# Allegro board LED_FIN.brd (continued)
## Routing (per net, layer and track width the routed paths; a pad name or vN(x,y) marks a point on that pad's centre or on a via; arc(x,y) is an arc through that point) (continued)
  BOTTOM w0.15: v1(101.25,240.8) v1(101.25,238.8) v1(101.25,236.8) v1(101.25,234.8) v1(101.25,232.8) v1(101.25,230.8) v1(101.25,228.8) v1(101.25,226.8) v1(101.25,224.8) v1(101.25,222.8) v1(101.25,220.8) v1(101.25,218.8) v1(101.25,216.8) v1(101.25,214.8) v1(101.25,212.8) v1(101.25,210.8) v1(101.25,208.8) v1(101.25,206.8) v1(101.25,204.8) v1(101.25,202.8) v1(101.25,200.8) v1(101.25,198.8) v1(101.25,196.8) v1(101.25,194.8) v1(101.25,192.8) v1(101.25,190.8) v1(101.25,188.8) v1(101.25,186.8) v1(101.25,184.8) v1(101.25,182.8) v1(101.25,180.8) v1(101.25,178.8) v1(101.25,176.8) v1(101.25,174.8) v1(101.25,172.8) v1(101.25,170.8) v1(101.25,168.8) v1(101.25,166.8) 101.34,166.71 101.34,41.87 101.44,41.77 101.44,10.79 v1(101.25,10.6)
COL_OUT_C89: length 257.9
  TOP w0.15: D11161.1 v1(99.25,180.8) ; D10981.1 v1(99.25,192.8) ; D10381.1 v1(99.25,232.8) ; D10321.1 v1(99.25,236.8) ; D10741.1 v1(99.25,208.8) ; D11341.1 v1(99.25,168.8) ; D10861.1 v1(99.25,200.8) ; D10291.1 v1(99.25,238.8) ; D10621.1 v1(99.25,216.8) ; D10471.1 v1(99.25,226.8) ; D10771.1 v1(99.25,206.8) ; D11191.1 v1(99.25,178.8) ; D11131.1 v1(99.25,182.8) ; D11221.1 v1(99.25,176.8) ; v1(99.25,10.6) 98.7,10.6 R271.1 ; D11371.1 v1(99.25,166.8) ; D10501.1 v1(99.25,224.8) ; D10651.1 v1(99.25,214.8) ; D10531.1 v1(99.25,222.8) ; D11011.1 v1(99.25,190.8) ; D10681.1 v1(99.25,212.8) ; D10801.1 v1(99.25,204.8) ; D10711.1 v1(99.25,210.8) ; D10441.1 v1(99.25,228.8) ; D11311.1 v1(99.25,170.8) ; D10351.1 v1(99.25,234.8) ; D10921.1 v1(99.25,196.8) ; D11041.1 v1(99.25,188.8) ; D10561.1 v1(99.25,220.8) ; D10831.1 v1(99.25,202.8) ; D11071.1 v1(99.25,186.8) ; D11101.1 v1(99.25,184.8) ; D11281.1 v1(99.25,172.8) ; D10591.1 v1(99.25,218.8) ; D10891.1 v1(99.25,198.8) ; D10411.1 v1(99.25,230.8) ; D10261.1 v1(99.25,240.8) ; D11251.1 v1(99.25,174.8) ; D10951.1 v1(99.25,194.8)
  BOTTOM w0.15: v1(99.25,240.8) v1(99.25,238.8) v1(99.25,236.8) v1(99.25,234.8) v1(99.25,232.8) v1(99.25,230.8) v1(99.25,228.8) v1(99.25,226.8) v1(99.25,224.8) v1(99.25,222.8) v1(99.25,220.8) v1(99.25,218.8) v1(99.25,216.8) v1(99.25,214.8) v1(99.25,212.8) v1(99.25,210.8) v1(99.25,208.8) v1(99.25,206.8) v1(99.25,204.8) v1(99.25,202.8) v1(99.25,200.8) v1(99.25,198.8) v1(99.25,196.8) v1(99.25,194.8) v1(99.25,192.8) v1(99.25,190.8) v1(99.25,188.8) v1(99.25,186.8) v1(99.25,184.8) v1(99.25,182.8) v1(99.25,180.8) v1(99.25,178.8) v1(99.25,176.8) v1(99.25,174.8) v1(99.25,172.8) v1(99.25,170.8) v1(99.25,168.8) v1(99.25,166.8) 99.25,132.13 98.87,131.75 98.87,129.98 99.22,129.63 99.22,42.02 98.97,41.77 98.97,11.38 99.25,11.1 v1(99.25,10.6)
COL_OUT_C90: length 257.7
  TOP w0.15: R270.1 96.7,10.6 v1(97.25,10.6) ; D9900.1 v1(97.25,190.8) ; D10140.1 v1(97.25,174.8) ; D10200.1 v1(97.25,170.8) ; D9150.1 v1(97.25,240.8) ; D9960.1 v1(97.25,186.8) ; D9180.1 v1(97.25,238.8) ; D9570.1 v1(97.25,212.8) ; D10260.1 v1(97.25,166.8) ; D9840.1 v1(97.25,194.8) ; D9630.1 v1(97.25,208.8) ; D9720.1 v1(97.25,202.8) ; D9360.1 v1(97.25,226.8) ; D9330.1 v1(97.25,228.8) ; D9660.1 v1(97.25,206.8) ; D10110.1 v1(97.25,176.8) ; D9240.1 v1(97.25,234.8) ; D10050.1 v1(97.25,180.8) ; D9870.1 v1(97.25,192.8) ; D9540.1 v1(97.25,214.8) ; D9690.1 v1(97.25,204.8) ; D9300.1 v1(97.25,230.8) ; D9600.1 v1(97.25,210.8) ; D10230.1 v1(97.25,168.8) ; D9450.1 v1(97.25,220.8) ; D9420.1 v1(97.25,222.8) ; D10170.1 v1(97.25,172.8) ; D9780.1 v1(97.25,198.8) ; D9990.1 v1(97.25,184.8) ; D9270.1 v1(97.25,232.8) ; D9390.1 v1(97.25,224.8) ; D9810.1 v1(97.25,196.8) ; D10020.1 v1(97.25,182.8) ; D9930.1 v1(97.25,188.8) ; D9510.1 v1(97.25,216.8) ; D9750.1 v1(97.25,200.8) ; D10080.1 v1(97.25,178.8) ; D9480.1 v1(97.25,218.8) ; D9210.1 v1(97.25,236.8)
  BOTTOM w0.15: v1(97.25,240.8) v1(97.25,238.8) v1(97.25,236.8) v1(97.25,234.8) v1(97.25,232.8) v1(97.25,230.8) v1(97.25,228.8) v1(97.25,226.8) v1(97.25,224.8) v1(97.25,222.8) v1(97.25,220.8) v1(97.25,218.8) v1(97.25,216.8) v1(97.25,214.8) v1(97.25,212.8) v1(97.25,210.8) v1(97.25,208.8) v1(97.25,206.8) v1(97.25,204.8) v1(97.25,202.8) v1(97.25,200.8) v1(97.25,198.8) v1(97.25,196.8) v1(97.25,194.8) v1(97.25,192.8) v1(97.25,190.8) v1(97.25,188.8) v1(97.25,186.8) v1(97.25,184.8) v1(97.25,182.8) v1(97.25,180.8) v1(97.25,178.8) v1(97.25,176.8) v1(97.25,174.8) v1(97.25,172.8) v1(97.25,170.8) v1(97.25,168.8) v1(97.25,166.8) 97.25,132.03 97.53,131.75 97.53,41.87 97.63,41.77 97.63,10.98 v1(97.25,10.6)
COL_OUT_C91: length 257.6
  TOP w0.15: D9599.1 v1(95.25,210.8) ; D9449.1 v1(95.25,220.8) ; D9179.1 v1(95.25,238.8) ; D10079.1 v1(95.25,178.8) ; D9539.1 v1(95.25,214.8) ; D10139.1 v1(95.25,174.8) ; D9389.1 v1(95.25,224.8) ; D9269.1 v1(95.25,232.8) ; D10199.1 v1(95.25,170.8) ; D9209.1 v1(95.25,236.8) ; D9779.1 v1(95.25,198.8) ; D10169.1 v1(95.25,172.8) ; D9989.1 v1(95.25,184.8) ; R269.1 94.7,10.6 v1(95.25,10.6) ; D10049.1 v1(95.25,180.8) ; D9479.1 v1(95.25,218.8) ; D9749.1 v1(95.25,200.8) ; D9869.1 v1(95.25,192.8) ; D9929.1 v1(95.25,188.8) ; D9419.1 v1(95.25,222.8) ; D9239.1 v1(95.25,234.8) ; D9509.1 v1(95.25,216.8) ; D9809.1 v1(95.25,196.8) ; D9719.1 v1(95.25,202.8) ; D9659.1 v1(95.25,206.8) ; D9149.1 v1(95.25,240.8) ; D9899.1 v1(95.25,190.8) ; D9689.1 v1(95.25,204.8) ; D9629.1 v1(95.25,208.8) ; D9569.1 v1(95.25,212.8) ; D9959.1 v1(95.25,186.8) ; D10109.1 v1(95.25,176.8) ; D10229.1 v1(95.25,168.8) ; D9839.1 v1(95.25,194.8) ; D9359.1 v1(95.25,226.8) ; D10019.1 v1(95.25,182.8) ; D9329.1 v1(95.25,228.8) ; D9299.1 v1(95.25,230.8) ; D10259.1 v1(95.25,166.8)
  BOTTOM w0.15: v1(95.25,240.8) v1(95.25,238.8) v1(95.25,236.8) v1(95.25,234.8) v1(95.25,232.8) v1(95.25,230.8) v1(95.25,228.8) v1(95.25,226.8) v1(95.25,224.8) v1(95.25,222.8) v1(95.25,220.8) v1(95.25,218.8) v1(95.25,216.8) v1(95.25,214.8) v1(95.25,212.8) v1(95.25,210.8) v1(95.25,208.8) v1(95.25,206.8) v1(95.25,204.8) v1(95.25,202.8) v1(95.25,200.8) v1(95.25,198.8) v1(95.25,196.8) v1(95.25,194.8) v1(95.25,192.8) v1(95.25,190.8) v1(95.25,188.8) v1(95.25,186.8) v1(95.25,184.8) v1(95.25,182.8) v1(95.25,180.8) v1(95.25,178.8) v1(95.25,176.8) v1(95.25,174.8) v1(95.25,172.8) v1(95.25,170.8) v1(95.25,168.8) v1(95.25,166.8) 95.06,166.61 95.06,129.98 95.16,129.88 95.16,10.69 v1(95.25,10.6)
COL_OUT_C92: length 258.1
  TOP w0.15: D9568.1 v1(93.25,212.8) ; D9478.1 v1(93.25,218.8) ; D9178.1 v1(93.25,238.8) ; D10258.1 v1(93.25,166.8) ; D9958.1 v1(93.25,186.8) ; D10228.1 v1(93.25,168.8) ; D9748.1 v1(93.25,200.8) ; D9418.1 v1(93.25,222.8) ; D9898.1 v1(93.25,190.8) ; D9688.1 v1(93.25,204.8) ; D9628.1 v1(93.25,208.8) ; D9868.1 v1(93.25,192.8) ; D10138.1 v1(93.25,174.8) ; D9268.1 v1(93.25,232.8) ; D10048.1 v1(93.25,180.8) ; D9718.1 v1(93.25,202.8) ; D9448.1 v1(93.25,220.8) ; D9208.1 v1(93.25,236.8) ; D10018.1 v1(93.25,182.8) ; D9538.1 v1(93.25,214.8) ; D9238.1 v1(93.25,234.8) ; D9508.1 v1(93.25,216.8) ; D10078.1 v1(93.25,178.8) ; D9358.1 v1(93.25,226.8) ; D9808.1 v1(93.25,196.8) ; D9388.1 v1(93.25,224.8) ; D9658.1 v1(93.25,206.8) ; D9838.1 v1(93.25,194.8) ; v1(93.25,10.6) 92.7,10.6 R268.1 ; D9598.1 v1(93.25,210.8) ; D9778.1 v1(93.25,198.8) ; D9148.1 v1(93.25,240.8) ; D10168.1 v1(93.25,172.8) ; D10198.1 v1(93.25,170.8) ; D9328.1 v1(93.25,228.8) ; D9988.1 v1(93.25,184.8) ; D9298.1 v1(93.25,230.8) ; D10108.1 v1(93.25,176.8) ; D9928.1 v1(93.25,188.8)
  BOTTOM w0.15: v1(93.25,10.6) 93.25,39.43 93.82,40 93.82,41.77 93.47,42.12 93.47,129.73 93.72,129.98 93.72,131.75 93.25,132.22 v1(93.25,166.8) v1(93.25,168.8) v1(93.25,170.8) v1(93.25,172.8) v1(93.25,174.8) v1(93.25,176.8) v1(93.25,178.8) v1(93.25,180.8) v1(93.25,182.8) v1(93.25,184.8) v1(93.25,186.8) v1(93.25,188.8) v1(93.25,190.8) v1(93.25,192.8) v1(93.25,194.8) v1(93.25,196.8) v1(93.25,198.8) v1(93.25,200.8) v1(93.25,202.8) v1(93.25,204.8) v1(93.25,206.8) v1(93.25,208.8) v1(93.25,210.8) v1(93.25,212.8) v1(93.25,214.8) v1(93.25,216.8) v1(93.25,218.8) v1(93.25,220.8) v1(93.25,222.8) v1(93.25,224.8) v1(93.25,226.8) v1(93.25,228.8) v1(93.25,230.8) v1(93.25,232.8) v1(93.25,234.8) v1(93.25,236.8) v1(93.25,238.8) v1(93.25,240.8)
COL_OUT_C93: length 257.4
  TOP w0.15: D9957.1 v1(91.25,186.8) ; D9897.1 v1(91.25,190.8) ; D9327.1 v1(91.25,228.8) ; D9537.1 v1(91.25,214.8) ; D9567.1 v1(91.25,212.8) ; R267.1 90.7,10.6 v1(91.25,10.6) ; D10257.1 v1(91.25,166.8) ; D9777.1 v1(91.25,198.8) ; D9927.1 v1(91.25,188.8) ; D9597.1 v1(91.25,210.8) ; D9177.1 v1(91.25,238.8) ; D9237.1 v1(91.25,234.8) ; D9417.1 v1(91.25,222.8) ; D9987.1 v1(91.25,184.8) ; D9447.1 v1(91.25,220.8) ; D9627.1 v1(91.25,208.8) ; D10167.1 v1(91.25,172.8) ; D9387.1 v1(91.25,224.8) ; D10227.1 v1(91.25,168.8) ; D9747.1 v1(91.25,200.8) ; D9717.1 v1(91.25,202.8) ; D9657.1 v1(91.25,206.8) ; D9297.1 v1(91.25,230.8) ; D9687.1 v1(91.25,204.8) ; D9507.1 v1(91.25,216.8) ; D9357.1 v1(91.25,226.8) ; D10107.1 v1(91.25,176.8) ; D9207.1 v1(91.25,236.8) ; D10017.1 v1(91.25,182.8) ; D9477.1 v1(91.25,218.8) ; D10047.1 v1(91.25,180.8) ; D10137.1 v1(91.25,174.8) ; D9837.1 v1(91.25,194.8) ; D10077.1 v1(91.25,178.8) ; D9807.1 v1(91.25,196.8) ; D9267.1 v1(91.25,232.8) ; D10197.1 v1(91.25,170.8) ; D9147.1 v1(91.25,240.8) ; D9867.1 v1(91.25,192.8)
  BOTTOM w0.15: v1(91.25,10.6) 91.28,10.63 91.28,41.77 91.25,41.8 v1(91.25,166.8) v1(91.25,168.8) v1(91.25,170.8) v1(91.25,172.8) v1(91.25,174.8) v1(91.25,176.8) v1(91.25,178.8) v1(91.25,180.8) v1(91.25,182.8) v1(91.25,184.8) v1(91.25,186.8) v1(91.25,188.8) v1(91.25,190.8) v1(91.25,192.8) v1(91.25,194.8) v1(91.25,196.8) v1(91.25,198.8) v1(91.25,200.8) v1(91.25,202.8) v1(91.25,204.8) v1(91.25,206.8) v1(91.25,208.8) v1(91.25,210.8) v1(91.25,212.8) v1(91.25,214.8) v1(91.25,216.8) v1(91.25,218.8) v1(91.25,220.8) v1(91.25,222.8) v1(91.25,224.8) v1(91.25,226.8) v1(91.25,228.8) v1(91.25,230.8) v1(91.25,232.8) v1(91.25,234.8) v1(91.25,236.8) v1(91.25,238.8) v1(91.25,240.8)
COL_OUT_C94: length 258.1
  TOP w0.15: D10136.1 v1(89.25,174.8) ; D9806.1 v1(89.25,196.8) ; R266.1 88.7,10.6 v1(89.25,10.6) ; D10196.1 v1(89.25,170.8) ; D10076.1 v1(89.25,178.8) ; D9446.1 v1(89.25,220.8) ; D9146.1 v1(89.25,240.8) ; D9476.1 v1(89.25,218.8) ; D9296.1 v1(89.25,230.8) ; D9536.1 v1(89.25,214.8) ; D9626.1 v1(89.25,208.8) ; D9836.1 v1(89.25,194.8) ; D9206.1 v1(89.25,236.8) ; D9416.1 v1(89.25,222.8) ; D9326.1 v1(89.25,228.8) ; D9956.1 v1(89.25,186.8) ; D9356.1 v1(89.25,226.8) ; D9896.1 v1(89.25,190.8) ; D9656.1 v1(89.25,206.8) ; D9776.1 v1(89.25,198.8) ; D10106.1 v1(89.25,176.8) ; D9566.1 v1(89.25,212.8) ; D9866.1 v1(89.25,192.8) ; D9686.1 v1(89.25,204.8) ; D10226.1 v1(89.25,168.8) ; D10046.1 v1(89.25,180.8) ; D9386.1 v1(89.25,224.8) ; D10256.1 v1(89.25,166.8) ; D9746.1 v1(89.25,200.8) ; D9716.1 v1(89.25,202.8) ; D9596.1 v1(89.25,210.8) ; D10016.1 v1(89.25,182.8) ; D9926.1 v1(89.25,188.8) ; D10166.1 v1(89.25,172.8) ; D9506.1 v1(89.25,216.8) ; D9266.1 v1(89.25,232.8) ; D9236.1 v1(89.25,234.8) ; D9986.1 v1(89.25,184.8) ; D9176.1 v1(89.25,238.8)
  BOTTOM w0.15: v1(89.25,10.6) 88.81,11.04 88.81,41.77 89.06,42.02 89.06,129.63 88.71,129.98 88.71,131.75 89.25,132.29 v1(89.25,166.8) v1(89.25,168.8) v1(89.25,170.8) v1(89.25,172.8) v1(89.25,174.8) v1(89.25,176.8) v1(89.25,178.8) v1(89.25,180.8) v1(89.25,182.8) v1(89.25,184.8) v1(89.25,186.8) v1(89.25,188.8) v1(89.25,190.8) v1(89.25,192.8) v1(89.25,194.8) v1(89.25,196.8) v1(89.25,198.8) v1(89.25,200.8) v1(89.25,202.8) v1(89.25,204.8) v1(89.25,206.8) v1(89.25,208.8) v1(89.25,210.8) v1(89.25,212.8) v1(89.25,214.8) v1(89.25,216.8) v1(89.25,218.8) v1(89.25,220.8) v1(89.25,222.8) v1(89.25,224.8) v1(89.25,226.8) v1(89.25,228.8) v1(89.25,230.8) v1(89.25,232.8) v1(89.25,234.8) v1(89.25,236.8) v1(89.25,238.8) v1(89.25,240.8)
COL_OUT_C95: length 257.6
  TOP w0.15: D10195.1 v1(87.25,170.8) ; D9475.1 v1(87.25,218.8) ; D9175.1 v1(87.25,238.8) ; D10255.1 v1(87.25,166.8) ; D9955.1 v1(87.25,186.8) ; D10225.1 v1(87.25,168.8) ; D9715.1 v1(87.25,202.8) ; D9205.1 v1(87.25,236.8) ; D9895.1 v1(87.25,190.8) ; D9295.1 v1(87.25,230.8) ; D10015.1 v1(87.25,182.8) ; D10105.1 v1(87.25,176.8) ; D9625.1 v1(87.25,208.8) ; D9565.1 v1(87.25,212.8) ; D9595.1 v1(87.25,210.8) ; D9655.1 v1(87.25,206.8) ; D9355.1 v1(87.25,226.8) ; D10135.1 v1(87.25,174.8) ; D9385.1 v1(87.25,224.8) ; D10165.1 v1(87.25,172.8) ; D10045.1 v1(87.25,180.8) ; D9745.1 v1(87.25,200.8) ; D9415.1 v1(87.25,222.8) ; D9445.1 v1(87.25,220.8) ; D9685.1 v1(87.25,204.8) ; D9235.1 v1(87.25,234.8) ; D9865.1 v1(87.25,192.8) ; D9265.1 v1(87.25,232.8) ; v1(87.25,10.6) 86.7,10.6 R265.1 ; D9505.1 v1(87.25,216.8) ; D9835.1 v1(87.25,194.8) ; D9985.1 v1(87.25,184.8) ; D9145.1 v1(87.25,240.8) ; D10075.1 v1(87.25,178.8) ; D9325.1 v1(87.25,228.8) ; D9925.1 v1(87.25,188.8) ; D9805.1 v1(87.25,196.8) ; D9535.1 v1(87.25,214.8) ; D9775.1 v1(87.25,198.8)
  BOTTOM w0.15: v1(87.25,10.6) 87.25,11.1 87.47,11.32 87.47,41.77 87.37,41.87 87.37,166.68 v1(87.25,166.8) v1(87.25,168.8) v1(87.25,170.8) v1(87.25,172.8) v1(87.25,174.8) v1(87.25,176.8) v1(87.25,178.8) v1(87.25,180.8) v1(87.25,182.8) v1(87.25,184.8) v1(87.25,186.8) v1(87.25,188.8) v1(87.25,190.8) v1(87.25,192.8) v1(87.25,194.8) v1(87.25,196.8) v1(87.25,198.8) v1(87.25,200.8) v1(87.25,202.8) v1(87.25,204.8) v1(87.25,206.8) v1(87.25,208.8) v1(87.25,210.8) v1(87.25,212.8) v1(87.25,214.8) v1(87.25,216.8) v1(87.25,218.8) v1(87.25,220.8) v1(87.25,222.8) v1(87.25,224.8) v1(87.25,226.8) v1(87.25,228.8) v1(87.25,230.8) v1(87.25,232.8) v1(87.25,234.8) v1(87.25,236.8) v1(87.25,238.8) v1(87.25,240.8)
COL_OUT_C96: length 257.9
  TOP w0.15: D9924.1 v1(85.25,188.8) ; D9654.1 v1(85.25,206.8) ; D10104.1 v1(85.25,176.8) ; D9744.1 v1(85.25,200.8) ; D9444.1 v1(85.25,220.8) ; D10254.1 v1(85.25,166.8) ; D9714.1 v1(85.25,202.8) ; D9804.1 v1(85.25,196.8) ; D9414.1 v1(85.25,222.8) ; D9594.1 v1(85.25,210.8) ; D9684.1 v1(85.25,204.8) ; D9324.1 v1(85.25,228.8) ; D9984.1 v1(85.25,184.8) ; D9564.1 v1(85.25,212.8) ; D10194.1 v1(85.25,170.8) ; D9144.1 v1(85.25,240.8) ; D9474.1 v1(85.25,218.8) ; D9204.1 v1(85.25,236.8) ; D9234.1 v1(85.25,234.8) ; D10074.1 v1(85.25,178.8) ; D10044.1 v1(85.25,180.8) ; D9354.1 v1(85.25,226.8) ; D9384.1 v1(85.25,224.8) ; D9894.1 v1(85.25,190.8) ; D9174.1 v1(85.25,238.8) ; v1(85.25,10.6) 84.7,10.6 R264.1 ; D10224.1 v1(85.25,168.8) ; D9264.1 v1(85.25,232.8) ; D9834.1 v1(85.25,194.8) ; D9774.1 v1(85.25,198.8) ; D10164.1 v1(85.25,172.8) ; D9534.1 v1(85.25,214.8) ; D9624.1 v1(85.25,208.8) ; D9294.1 v1(85.25,230.8) ; D10014.1 v1(85.25,182.8) ; D9954.1 v1(85.25,186.8) ; D9864.1 v1(85.25,192.8) ; D9504.1 v1(85.25,216.8) ; D10134.1 v1(85.25,174.8)
  BOTTOM w0.15: v1(85.25,240.8) v1(85.25,238.8) v1(85.25,236.8) v1(85.25,234.8) v1(85.25,232.8) v1(85.25,230.8) v1(85.25,228.8) v1(85.25,226.8) v1(85.25,224.8) v1(85.25,222.8) v1(85.25,220.8) v1(85.25,218.8) v1(85.25,216.8) v1(85.25,214.8) v1(85.25,212.8) v1(85.25,210.8) v1(85.25,208.8) v1(85.25,206.8) v1(85.25,204.8) v1(85.25,202.8) v1(85.25,200.8) v1(85.25,198.8) v1(85.25,196.8) v1(85.25,194.8) v1(85.25,192.8) v1(85.25,190.8) v1(85.25,188.8) v1(85.25,186.8) v1(85.25,184.8) v1(85.25,182.8) v1(85.25,180.8) v1(85.25,178.8) v1(85.25,176.8) v1(85.25,174.8) v1(85.25,172.8) v1(85.25,170.8) v1(85.25,168.8) v1(85.25,166.8) 85.25,132.1 84.9,131.75 84.9,129.98 85.25,129.63 85.25,42.02 85,41.77 85,11.35 85.25,11.1 v1(85.25,10.6)
COL_OUT_C97: length 257.8
  TOP w0.15: D9863.1 v1(83.25,192.8) ; D9533.1 v1(83.25,214.8) ; D10253.1 v1(83.25,166.8) ; D9173.1 v1(83.25,238.8) ; D9773.1 v1(83.25,198.8) ; D9713.1 v1(83.25,202.8) ; D9563.1 v1(83.25,212.8) ; v1(83.25,10.6) 82.7,10.6 R263.1 ; D9803.1 v1(83.25,196.8) ; D10133.1 v1(83.25,174.8) ; D9983.1 v1(83.25,184.8) ; D9593.1 v1(83.25,210.8) ; D9353.1 v1(83.25,226.8) ; D10193.1 v1(83.25,170.8) ; D9263.1 v1(83.25,232.8) ; D9383.1 v1(83.25,224.8) ; D9653.1 v1(83.25,206.8) ; D9893.1 v1(83.25,190.8) ; D9743.1 v1(83.25,200.8) ; D10103.1 v1(83.25,176.8) ; D9683.1 v1(83.25,204.8) ; D9293.1 v1(83.25,230.8) ; D9413.1 v1(83.25,222.8) ; D10073.1 v1(83.25,178.8) ; D9233.1 v1(83.25,234.8) ; D9923.1 v1(83.25,188.8) ; D9443.1 v1(83.25,220.8) ; D10043.1 v1(83.25,180.8) ; D9323.1 v1(83.25,228.8) ; D9953.1 v1(83.25,186.8) ; D10223.1 v1(83.25,168.8) ; D9623.1 v1(83.25,208.8) ; D9203.1 v1(83.25,236.8) ; D9503.1 v1(83.25,216.8) ; D10013.1 v1(83.25,182.8) ; D9473.1 v1(83.25,218.8) ; D9833.1 v1(83.25,194.8) ; D10163.1 v1(83.25,172.8) ; D9143.1 v1(83.25,240.8)
  BOTTOM w0.15: v1(83.25,10.6) 83.66,11.01 83.66,41.77 83.56,41.87 83.56,131.75 83.25,132.06 v1(83.25,166.8) v1(83.25,168.8) v1(83.25,170.8) v1(83.25,172.8) v1(83.25,174.8) v1(83.25,176.8) v1(83.25,178.8) v1(83.25,180.8) v1(83.25,182.8) v1(83.25,184.8) v1(83.25,186.8) v1(83.25,188.8) v1(83.25,190.8) v1(83.25,192.8) v1(83.25,194.8) v1(83.25,196.8) v1(83.25,198.8) v1(83.25,200.8) v1(83.25,202.8) v1(83.25,204.8) v1(83.25,206.8) v1(83.25,208.8) v1(83.25,210.8) v1(83.25,212.8) v1(83.25,214.8) v1(83.25,216.8) v1(83.25,218.8) v1(83.25,220.8) v1(83.25,222.8) v1(83.25,224.8) v1(83.25,226.8) v1(83.25,228.8) v1(83.25,230.8) v1(83.25,232.8) v1(83.25,234.8) v1(83.25,236.8) v1(83.25,238.8) v1(83.25,240.8)
COL_OUT_C98: length 257.6
  TOP w0.15: D10012.1 v1(81.25,182.8) ; D9292.1 v1(81.25,230.8) ; D9982.1 v1(81.25,184.8) ; D10102.1 v1(81.25,176.8) ; D9532.1 v1(81.25,214.8) ; D10132.1 v1(81.25,174.8) ; D9772.1 v1(81.25,198.8) ; D10222.1 v1(81.25,168.8) ; D9952.1 v1(81.25,186.8) ; D9622.1 v1(81.25,208.8) ; D10252.1 v1(81.25,166.8) ; D9202.1 v1(81.25,236.8) ; D9832.1 v1(81.25,194.8) ; D9652.1 v1(81.25,206.8) ; D9412.1 v1(81.25,222.8) ; v1(81.25,10.6) 80.7,10.6 R262.1 ; D10042.1 v1(81.25,180.8) ; D9682.1 v1(81.25,204.8) ; D9442.1 v1(81.25,220.8) ; D9232.1 v1(81.25,234.8) ; D9382.1 v1(81.25,224.8) ; D9322.1 v1(81.25,228.8) ; D9262.1 v1(81.25,232.8) ; D10192.1 v1(81.25,170.8) ; D9742.1 v1(81.25,200.8) ; D9352.1 v1(81.25,226.8) ; D9922.1 v1(81.25,188.8) ; D9712.1 v1(81.25,202.8) ; D9172.1 v1(81.25,238.8) ; D9472.1 v1(81.25,218.8) ; D10072.1 v1(81.25,178.8) ; D9862.1 v1(81.25,192.8) ; D9592.1 v1(81.25,210.8) ; D9892.1 v1(81.25,190.8) ; D9562.1 v1(81.25,212.8) ; D10162.1 v1(81.25,172.8) ; D9802.1 v1(81.25,196.8) ; D9502.1 v1(81.25,216.8) ; D9142.1 v1(81.25,240.8)
  BOTTOM w0.15: v1(81.25,10.6) 81.19,10.66 81.19,129.88 81.09,129.98 81.09,166.64 v1(81.25,166.8) v1(81.25,168.8) v1(81.25,170.8) v1(81.25,172.8) v1(81.25,174.8) v1(81.25,176.8) v1(81.25,178.8) v1(81.25,180.8) v1(81.25,182.8) v1(81.25,184.8) v1(81.25,186.8) v1(81.25,188.8) v1(81.25,190.8) v1(81.25,192.8) v1(81.25,194.8) v1(81.25,196.8) v1(81.25,198.8) v1(81.25,200.8) v1(81.25,202.8) v1(81.25,204.8) v1(81.25,206.8) v1(81.25,208.8) v1(81.25,210.8) v1(81.25,212.8) v1(81.25,214.8) v1(81.25,216.8) v1(81.25,218.8) v1(81.25,220.8) v1(81.25,222.8) v1(81.25,224.8) v1(81.25,226.8) v1(81.25,228.8) v1(81.25,230.8) v1(81.25,232.8) v1(81.25,234.8) v1(81.25,236.8) v1(81.25,238.8) v1(81.25,240.8)
COL_OUT_C99: length 257.4
  TOP w0.15: D9921.1 v1(79.25,188.8) ; D9531.1 v1(79.25,214.8) ; D9351.1 v1(79.25,226.8) ; D9801.1 v1(79.25,196.8) ; D9231.1 v1(79.25,234.8) ; D10191.1 v1(79.25,170.8) ; D9501.1 v1(79.25,216.8) ; D9591.1 v1(79.25,210.8) ; D9651.1 v1(79.25,206.8) ; D9321.1 v1(79.25,228.8) ; D10101.1 v1(79.25,176.8) ; D9291.1 v1(79.25,230.8) ; D10131.1 v1(79.25,174.8) ; D9711.1 v1(79.25,202.8) ; D9951.1 v1(79.25,186.8) ; D9681.1 v1(79.25,204.8) ; D9981.1 v1(79.25,184.8) ; D9141.1 v1(79.25,240.8) ; D9171.1 v1(79.25,238.8) ; D9411.1 v1(79.25,222.8) ; D9831.1 v1(79.25,194.8) ; D10251.1 v1(79.25,166.8) ; D9441.1 v1(79.25,220.8) ; D9261.1 v1(79.25,232.8) ; D9771.1 v1(79.25,198.8) ; D10011.1 v1(79.25,182.8) ; D10071.1 v1(79.25,178.8) ; D9561.1 v1(79.25,212.8) ; D9741.1 v1(79.25,200.8) ; D9201.1 v1(79.25,236.8) ; D9891.1 v1(79.25,190.8) ; D9471.1 v1(79.25,218.8) ; R261.1 78.7,10.6 v1(79.25,10.6) ; D9381.1 v1(79.25,224.8) ; D10221.1 v1(79.25,168.8) ; D10041.1 v1(79.25,180.8) ; D9861.1 v1(79.25,192.8) ; D10161.1 v1(79.25,172.8) ; D9621.1 v1(79.25,208.8)
  BOTTOM w0.15: v1(79.25,240.8) v1(79.25,238.8) v1(79.25,236.8) v1(79.25,234.8) v1(79.25,232.8) v1(79.25,230.8) v1(79.25,228.8) v1(79.25,226.8) v1(79.25,224.8) v1(79.25,222.8) v1(79.25,220.8) v1(79.25,218.8) v1(79.25,216.8) v1(79.25,214.8) v1(79.25,212.8) v1(79.25,210.8) v1(79.25,208.8) v1(79.25,206.8) v1(79.25,204.8) v1(79.25,202.8) v1(79.25,200.8) v1(79.25,198.8) v1(79.25,196.8) v1(79.25,194.8) v1(79.25,192.8) v1(79.25,190.8) v1(79.25,188.8) v1(79.25,186.8) v1(79.25,184.8) v1(79.25,182.8) v1(79.25,180.8) v1(79.25,178.8) v1(79.25,176.8) v1(79.25,174.8) v1(79.25,172.8) v1(79.25,170.8) v1(79.25,168.8) v1(79.25,166.8) v1(79.25,10.6)
COL_OUT_C100: length 257.4
  TOP w0.15: D10070.1 v1(77.25,178.8) ; D9170.1 v1(77.25,238.8) ; v1(77.25,10.6) 76.7,10.6 R260.1 ; D9380.1 v1(77.25,224.8) ; D9680.1 v1(77.25,204.8) ; D9350.1 v1(77.25,226.8) ; D9560.1 v1(77.25,212.8) ; D9440.1 v1(77.25,220.8) ; D9740.1 v1(77.25,200.8) ; D9200.1 v1(77.25,236.8) ; D9950.1 v1(77.25,186.8) ; D9830.1 v1(77.25,194.8) ; D9800.1 v1(77.25,196.8) ; D9320.1 v1(77.25,228.8) ; D9530.1 v1(77.25,214.8) ; D9770.1 v1(77.25,198.8) ; D9470.1 v1(77.25,218.8) ; D10010.1 v1(77.25,182.8) ; D10160.1 v1(77.25,172.8) ; D10040.1 v1(77.25,180.8) ; D10190.1 v1(77.25,170.8) ; D9620.1 v1(77.25,208.8) ; D9590.1 v1(77.25,210.8) ; D9410.1 v1(77.25,222.8) ; D10220.1 v1(77.25,168.8) ; D9890.1 v1(77.25,190.8) ; D10250.1 v1(77.25,166.8) ; D9980.1 v1(77.25,184.8) ; D9500.1 v1(77.25,216.8) ; D9140.1 v1(77.25,240.8) ; D9710.1 v1(77.25,202.8) ; D9650.1 v1(77.25,206.8) ; D9260.1 v1(77.25,232.8) ; D10100.1 v1(77.25,176.8) ; D9230.1 v1(77.25,234.8) ; D10130.1 v1(77.25,174.8) ; D9290.1 v1(77.25,230.8) ; D9860.1 v1(77.25,192.8) ; D9920.1 v1(77.25,188.8)
  BOTTOM w0.15: v1(77.25,240.8) v1(77.25,238.8) v1(77.25,236.8) v1(77.25,234.8) v1(77.25,232.8) v1(77.25,230.8) v1(77.25,228.8) v1(77.25,226.8) v1(77.25,224.8) v1(77.25,222.8) v1(77.25,220.8) v1(77.25,218.8) v1(77.25,216.8) v1(77.25,214.8) v1(77.25,212.8) v1(77.25,210.8) v1(77.25,208.8) v1(77.25,206.8) v1(77.25,204.8) v1(77.25,202.8) v1(77.25,200.8) v1(77.25,198.8) v1(77.25,196.8) v1(77.25,194.8) v1(77.25,192.8) v1(77.25,190.8) v1(77.25,188.8) v1(77.25,186.8) v1(77.25,184.8) v1(77.25,182.8) v1(77.25,180.8) v1(77.25,178.8) v1(77.25,176.8) v1(77.25,174.8) v1(77.25,172.8) v1(77.25,170.8) v1(77.25,168.8) v1(77.25,166.8) v1(77.25,10.6)
COL_OUT_C101: length 257.8
  TOP w0.15: D9199.1 v1(75.25,236.8) ; D10129.1 v1(75.25,174.8) ; D9829.1 v1(75.25,194.8) ; D9709.1 v1(75.25,202.8) ; D9589.1 v1(75.25,210.8) ; D10219.1 v1(75.25,168.8) ; D10159.1 v1(75.25,172.8) ; D9289.1 v1(75.25,230.8) ; D9379.1 v1(75.25,224.8) ; D9139.1 v1(75.25,240.8) ; D9469.1 v1(75.25,218.8) ; D9679.1 v1(75.25,204.8) ; D9799.1 v1(75.25,196.8) ; D10249.1 v1(75.25,166.8) ; D9439.1 v1(75.25,220.8) ; D9319.1 v1(75.25,228.8) ; v1(75.25,10.6) 74.7,10.6 R259.1 ; D9559.1 v1(75.25,212.8) ; D9409.1 v1(75.25,222.8) ; D10099.1 v1(75.25,176.8) ; D9649.1 v1(75.25,206.8) ; D9229.1 v1(75.25,234.8) ; D9949.1 v1(75.25,186.8) ; D9529.1 v1(75.25,214.8) ; D10039.1 v1(75.25,180.8) ; D9499.1 v1(75.25,216.8) ; D10189.1 v1(75.25,170.8) ; D10069.1 v1(75.25,178.8) ; D9889.1 v1(75.25,190.8) ; D9619.1 v1(75.25,208.8) ; D9859.1 v1(75.25,192.8) ; D9919.1 v1(75.25,188.8) ; D9979.1 v1(75.25,184.8) ; D9259.1 v1(75.25,232.8) ; D9769.1 v1(75.25,198.8) ; D9739.1 v1(75.25,200.8) ; D9169.1 v1(75.25,238.8) ; D10009.1 v1(75.25,182.8) ; D9349.1 v1(75.25,226.8)
  BOTTOM w0.15: v1(75.25,10.6) 74.77,11.08 74.77,93.4 75.25,93.88 v1(75.25,166.8) v1(75.25,168.8) v1(75.25,170.8) v1(75.25,172.8) v1(75.25,174.8) v1(75.25,176.8) v1(75.25,178.8) v1(75.25,180.8) v1(75.25,182.8) v1(75.25,184.8) v1(75.25,186.8) v1(75.25,188.8) v1(75.25,190.8) v1(75.25,192.8) v1(75.25,194.8) v1(75.25,196.8) v1(75.25,198.8) v1(75.25,200.8) v1(75.25,202.8) v1(75.25,204.8) v1(75.25,206.8) v1(75.25,208.8) v1(75.25,210.8) v1(75.25,212.8) v1(75.25,214.8) v1(75.25,216.8) v1(75.25,218.8) v1(75.25,220.8) v1(75.25,222.8) v1(75.25,224.8) v1(75.25,226.8) v1(75.25,228.8) v1(75.25,230.8) v1(75.25,232.8) v1(75.25,234.8) v1(75.25,236.8) v1(75.25,238.8) v1(75.25,240.8)
COL_OUT_C102: length 257.4
  TOP w0.15: v1(73.25,10.6) 72.7,10.6 R258.1 ; D9588.1 v1(73.25,210.8) ; D10158.1 v1(73.25,172.8) ; D9648.1 v1(73.25,206.8) ; D9888.1 v1(73.25,190.8) ; D9138.1 v1(73.25,240.8) ; D9918.1 v1(73.25,188.8) ; D9198.1 v1(73.25,236.8) ; D9948.1 v1(73.25,186.8) ; D9288.1 v1(73.25,230.8) ; D9558.1 v1(73.25,212.8) ; D9168.1 v1(73.25,238.8) ; D10038.1 v1(73.25,180.8) ; D9228.1 v1(73.25,234.8) ; D9378.1 v1(73.25,224.8) ; D10248.1 v1(73.25,166.8) ; D10128.1 v1(73.25,174.8) ; D9498.1 v1(73.25,216.8) ; D9618.1 v1(73.25,208.8) ; D9318.1 v1(73.25,228.8) ; D10098.1 v1(73.25,176.8) ; D10068.1 v1(73.25,178.8) ; D9798.1 v1(73.25,196.8) ; D10188.1 v1(73.25,170.8) ; D9348.1 v1(73.25,226.8) ; D9678.1 v1(73.25,204.8) ; D9468.1 v1(73.25,218.8) ; D9738.1 v1(73.25,200.8) ; D9438.1 v1(73.25,220.8) ; D9708.1 v1(73.25,202.8) ; D9258.1 v1(73.25,232.8) ; D9408.1 v1(73.25,222.8) ; D9858.1 v1(73.25,192.8) ; D9528.1 v1(73.25,214.8) ; D10008.1 v1(73.25,182.8) ; D10218.1 v1(73.25,168.8) ; D9768.1 v1(73.25,198.8) ; D9828.1 v1(73.25,194.8) ; D9978.1 v1(73.25,184.8)
  BOTTOM w0.15: v1(73.25,10.6) v1(73.25,166.8) v1(73.25,168.8) v1(73.25,170.8) v1(73.25,172.8) v1(73.25,174.8) v1(73.25,176.8) v1(73.25,178.8) v1(73.25,180.8) v1(73.25,182.8) v1(73.25,184.8) v1(73.25,186.8) v1(73.25,188.8) v1(73.25,190.8) v1(73.25,192.8) v1(73.25,194.8) v1(73.25,196.8) v1(73.25,198.8) v1(73.25,200.8) v1(73.25,202.8) v1(73.25,204.8) v1(73.25,206.8) v1(73.25,208.8) v1(73.25,210.8) v1(73.25,212.8) v1(73.25,214.8) v1(73.25,216.8) v1(73.25,218.8) v1(73.25,220.8) v1(73.25,222.8) v1(73.25,224.8) v1(73.25,226.8) v1(73.25,228.8) v1(73.25,230.8) v1(73.25,232.8) v1(73.25,234.8) v1(73.25,236.8) v1(73.25,238.8) v1(73.25,240.8)
